# Altium PCB mppt.PcbDoc (part 5 of 5)
Units mm, origin at the board's own origin, x right, y up, seen from the top; angles counter-clockwise.
Board outline 161 x 166 mm, 6 copper layers (Top Layer, Layer 1, Layer 2, Layer 3, Layer 4, Bottom Layer), stack 0.815 mm thick; 460 components, 230 nets, 1421 pads, 2551 vias.
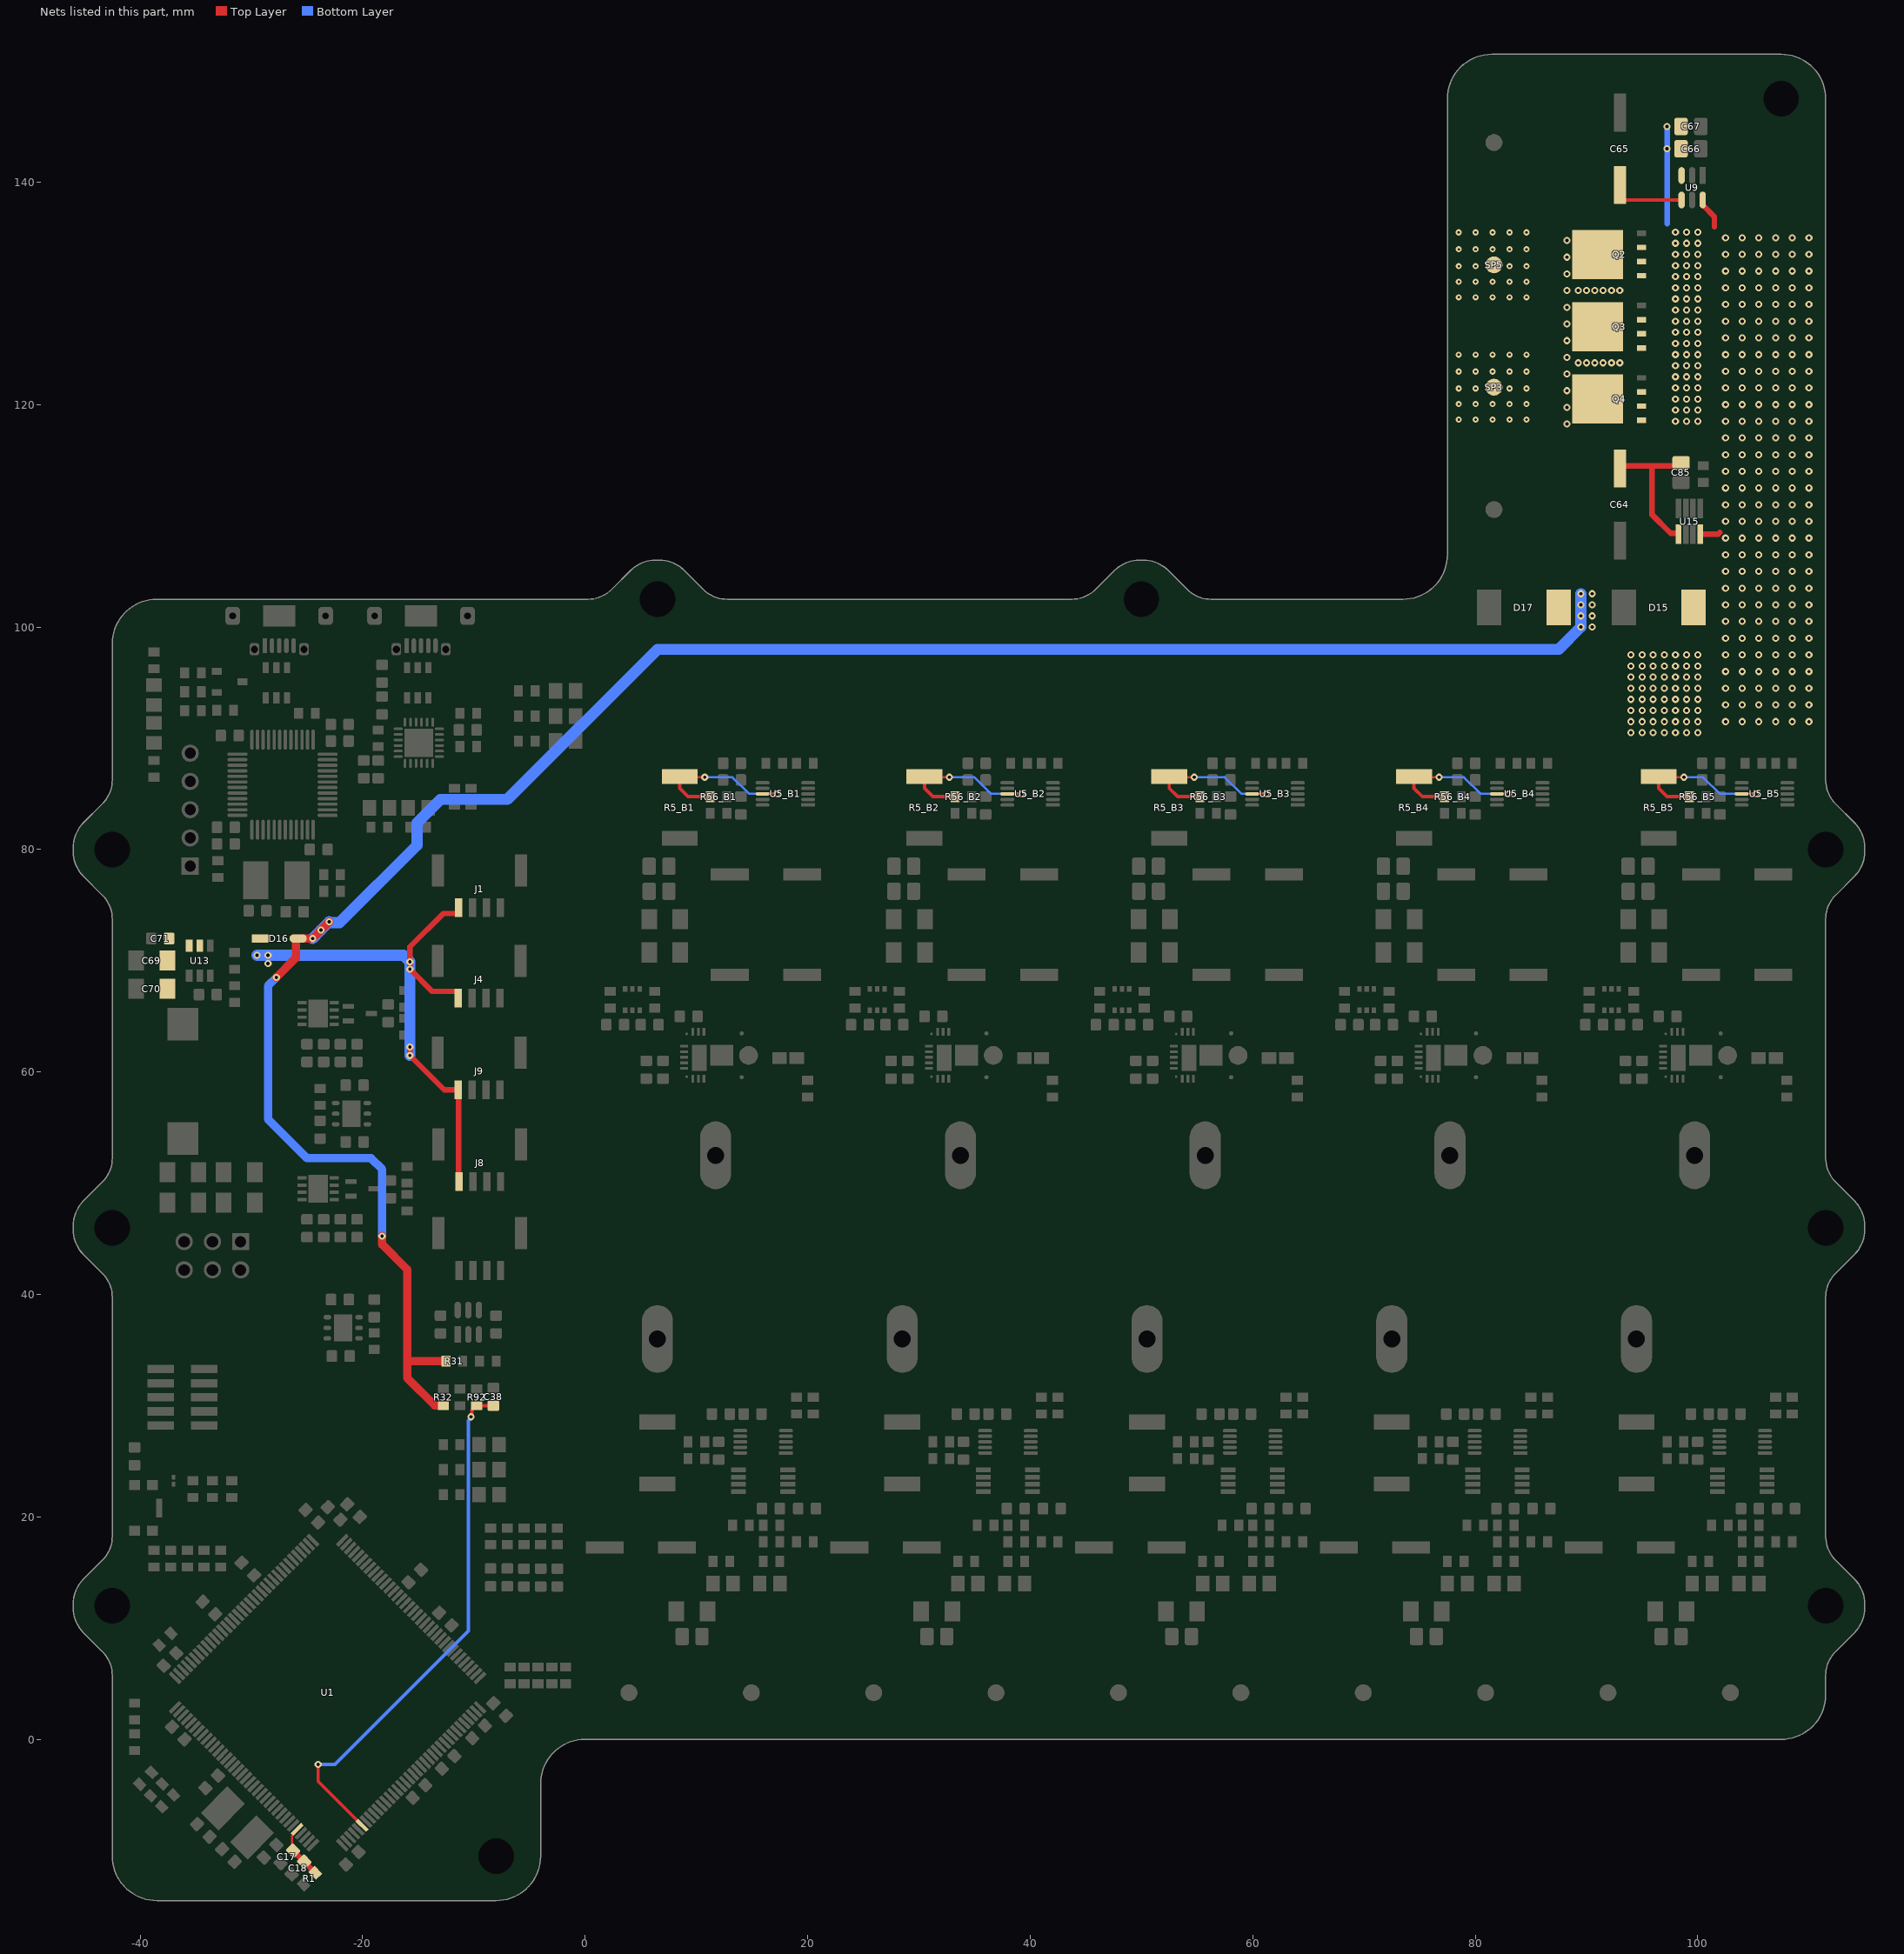
[diagram p9: the nets of this part, all layers, seen from the top]

## Via types
v1: diameter 0.635, hole 0.305, Top Layer to Bottom Layer, tented both sides, 2197 vias
v2: diameter 0.559, hole 0.203, Top Layer to Bottom Layer, tented both sides, 350 vias
v3: diameter 0.5, hole 0.2, Top Layer to Bottom Layer, 4 vias

## Nets (pads, with @x,y where several pads share a name; then routed paths per layer and width w, separated by ;. In a path a pad name is that pad's centre, name@x,y a point inside that pad or via, vN(x,y) a via of type N, cw(c..) or ccw(c..) an arc to the next point about the centre after c; other vN are vias at no path point) (continued)
V_BAT: C64.2 C65.2 C85.2 D16.2 D17.1 Q2.5-6-7-8 Q3.5-6-7-8 Q4.5-6-7-8 R31.2 R32.2 SP3.SP SP5.SP U9.4 U15.5 | length 210.2
  Top Layer w0.3: C65.2@93,139.749 93,138.796 93.396,138.4 U9.4@98.55,138.4
  Top Layer w0.5: C64.2@93,114.251 93.249,114.5 95.874,114.5 ; U15.5@98.275,108.349 98.275,108.432 97.568,108.432 95.874,110.126 95.874,114.5 ; C85.2@98.5,114.5 95.874,114.5
  Top Layer w0.75: v1(-27.75,68.5) -26,70.25 -26,71.996 -25.996,72 v1(-24.5,72) v1(-23.75,72.75) v1(-23,73.5) ; v1(-18.25,45.25) -18.25,44.5 -16,42.25 -16,34 ; R32.2@-12.75,30 -12.775,30.025 -13.525,30.025 -16,32.5 -16,34 ; R31.2@-12.5,34 -16,34
  Bottom Layer w0.75: v1(-27.75,68.5) -28.5,67.75 -28.5,55.75 -25,52.25 -19.25,52.25 -18.25,51.25 v1(-18.25,45.25)
  Bottom Layer w1: v1(-24.5,72) v1(-23.75,72.75) v1(-23,73.5) -22.914,73.414 -22.086,73.414 -15.105,80.395 -15.105,82.395 -13,84.5 -7,84.5 6.5,98 87.5,98 v1(89.5,100) v1(89.5,101) v1(89.5,102) v1(89.5,103)
  other v1: 90.5,100 90.5,101 90.5,102 90.5,103 88.25,118.25 88.25,119.75 88.25,121.25 88.25,122.75 89.25,123.75 90,123.75 90.75,123.75 91.5,123.75 92.25,123.75 93,123.75 88.25,124.25 88.25,125.75 88.25,127.25 88.25,128.75 88.25,130.25 89.25,130.25 90,130.25 90.75,130.25 91.5,130.25 92.25,130.25 93,130.25 88.25,131.75 88.25,133.25 88.25,134.75
  other v2: 78.518,118.651 80.042,118.651 81.566,118.651 83.09,118.651 84.614,118.651 78.518,120.048 80.042,120.048 81.566,120.048 83.09,120.048 84.614,120.048 78.518,121.445 80.042,121.445 81.566,121.445 83.09,121.445 84.614,121.445 78.518,122.969 80.042,122.969 81.566,122.969 83.09,122.969 84.614,122.969 78.516,124.484 80.04,124.484 81.564,124.484 83.088,124.484 84.612,124.484 78.518,129.651 80.042,129.651 81.566,129.651 83.09,129.651 84.614,129.651 78.518,131.048 80.042,131.048 81.566,131.048 83.09,131.048 84.614,131.048 78.518,132.445 80.042,132.445 81.566,132.445 83.09,132.445 84.614,132.445 78.518,133.969 80.042,133.969 81.566,133.969 83.09,133.969 84.614,133.969 78.516,135.484 80.04,135.484 81.564,135.484 83.088,135.484 84.612,135.484
V_BUS: C69.1 C70.1 C71.1 D16.1 J1.1 J4.1 J8.1 J9.1 U13.2 U13.3 | length 50.9
  Top Layer w0.5: v1(-15.75,62.25) v1(-15.75,61.486) -12.664,58.4 J9.1@-11.4,58.4 -11.375,58.375 -11.375,50.175 J8.1@-11.35,50.15 ; J4.1@-11.4,66.65 -11.4,67.171 -11.48,67.251 -13.751,67.251 v1(-15.75,69.25) v1(-15.75,69.914) -15.75,71.25 -12.75,74.25 -11.455,74.25 -11.375,74.33 J1.1@-11.375,74.773
  Bottom Layer w1: v1(-29.5,70.5) v1(-28.5,70.5) -16.336,70.5 v1(-15.75,69.914) v1(-15.75,69.25) v1(-15.75,62.25) v1(-15.75,61.486)
  other v1: -28.5,69.75
V_BUS_DIV: C38.2 R92.2 U1.42 | length 47.7
  Top Layer w0.3: v1(-24,-2.25) -24,-3.789 U1.42@-20.039,-7.75 ; v1(-10.25,29) -10.186,29.064 -10.186,29.564 -10.1,29.65 -10.1,29.75 -9.85,30 C38.2@-8.25,30
  Bottom Layer w0.3: v1(-24,-2.25) -22.5,-2.25 -10.5,9.75 -10.5,28.659 -10.25,28.909 v1(-10.25,29)
V_PV: C66.2 C67.2 D15.1 Q2.1 Q2.2 Q2.3 Q3.1 Q3.2 Q3.3 Q4.1 Q4.2 Q4.3 R5_B1.2 R5_B2.2 R5_B3.2 R5_B4.2 R5_B5.2 R56_B1.2 R56_B2.2 R56_B3.2 R56_B4.2 R56_B5.2 U5_B1.8 U5_B2.8 U5_B3.8 U5_B4.8 U5_B5.8 U9.3 U9.6 U15.8 | length 87.1
  Top Layer w0.203: R5_B1.2@8.5,86.563 8.563,86.5 v1(10.75,86.5) ; U5_B1.8@15.949,85 v1(17.25,85) ; R5_B2.2@30.5,86.563 30.563,86.5 v1(32.75,86.5) ; U5_B2.8@37.949,85 v1(39.25,85) ; R5_B3.2@52.5,86.563 52.563,86.5 v1(54.75,86.5) ; U5_B3.8@59.949,85 v1(61.25,85) ; R5_B4.2@74.5,86.563 74.563,86.5 v1(76.75,86.5) ; U5_B4.8@81.949,85 v1(83,85) ; R5_B5.2@96.5,86.563 96.563,86.5 v1(98.75,86.5) ; U5_B5.8@103.949,85 v1(105.25,85)
  Top Layer w0.3: R5_B1.2@8.5,86.563 8.5,85.5 9.25,84.75 R56_B1.2@11.25,84.75 ; R5_B2.2@30.5,86.563 30.5,85.5 31.25,84.75 R56_B2.2@33.25,84.75 ; R5_B3.2@52.5,86.563 52.5,85.5 53.25,84.75 R56_B3.2@55.25,84.75 ; R5_B4.2@74.5,86.563 74.5,85.5 75.25,84.75 R56_B4.2@77.25,84.75 ; R5_B5.2@96.5,86.563 96.5,85.5 97.25,84.75 R56_B5.2@99.25,84.75 ; C66.2@98.5,143 C66.2@98.525,142.975
  Top Layer w0.5: U15.8@100.225,108.349 101.849,108.349 102,108.5 ; U9.6@100.45,138.4 100.45,137.932 101.5,136.882 101.5,136
  Bottom Layer w0.203: v1(10.75,86.5) 13.25,86.5 14.75,85 v1(17.25,85) ; v1(32.75,86.5) 35,86.5 36.5,85 v1(39.25,85) ; v1(54.75,86.5) 57.5,86.5 59,85 v1(61.25,85) ; v1(76.75,86.5) 79,86.5 80.5,85 v1(83,85) ; v1(98.75,86.5) 100.5,86.5 102,85 v1(105.25,85)
  Bottom Layer w0.5: 97.25,136.25 v1(97.25,143) v1(97.25,145)
  other v1: 94,90.5 95,90.5 96,90.5 97,90.5 98,90.5 99,90.5 100,90.5 94,91.5 95,91.5 96,91.5 97,91.5 98,91.5 99,91.5 100,91.5 102.5,91.5 104,91.5 105.5,91.5 107,91.5 108.5,91.5 110,91.5 94,92.5 95,92.5 96,92.5 97,92.5 98,92.5 99,92.5 100,92.5 102.5,93 104,93 105.5,93 107,93 108.5,93 110,93 94,93.5 95,93.5 96,93.5 97,93.5 98,93.5 99,93.5 100,93.5 94,94.5 95,94.5 96,94.5 97,94.5 98,94.5 99,94.5 100,94.5 102.5,94.5 104,94.5 105.5,94.5 107,94.5 108.5,94.5 110,94.5 94,95.5 95,95.5 96,95.5 97,95.5 98,95.5 99,95.5 100,95.5 102.5,96 104,96 105.5,96 107,96 108.5,96 110,96 94,96.5 95,96.5 96,96.5 97,96.5 98,96.5 99,96.5 100,96.5 94,97.5 95,97.5 96,97.5 97,97.5 98,97.5 99,97.5 100,97.5 102.5,97.5 104,97.5 105.5,97.5 107,97.5 108.5,97.5 110,97.5 102.5,99 104,99 105.5,99 107,99 108.5,99 110,99 102.5,100.5 104,100.5 105.5,100.5 107,100.5 108.5,100.5 110,100.5 102.5,102 104,102 105.5,102 107,102 108.5,102 110,102 102.5,103.5 104,103.5 105.5,103.5 107,103.5 108.5,103.5 110,103.5 102.5,105 104,105 105.5,105 107,105 108.5,105 110,105 102.5,106.5 104,106.5 105.5,106.5 107,106.5 108.5,106.5 110,106.5 102.5,108 104,108 105.5,108 107,108 108.5,108 110,108 102.5,109.5 104,109.5 105.5,109.5 107,109.5 108.5,109.5 110,109.5 102.5,111 104,111 105.5,111 107,111 108.5,111 110,111 102.5,112.5 104,112.5 105.5,112.5 107,112.5 108.5,112.5 110,112.5 102.5,114 104,114 105.5,114 107,114 108.5,114 110,114 102.5,115.5 104,115.5 105.5,115.5 107,115.5 108.5,115.5 110,115.5 102.5,117 104,117 105.5,117 107,117 108.5,117 110,117 98,118.5 99,118.5 100,118.5 102.5,118.5 104,118.5 105.5,118.5 107,118.5 108.5,118.5 110,118.5 98,119.5 99,119.5 100,119.5 102.5,120 104,120 105.5,120 107,120 108.5,120 110,120 98,120.5 99,120.5 100,120.5 98,121.5 99,121.5 100,121.5 102.5,121.5 104,121.5 105.5,121.5 107,121.5 108.5,121.5 110,121.5 98,122.5 99,122.5 100,122.5 102.5,123 104,123 105.5,123 107,123 108.5,123 110,123 98,123.5 99,123.5 100,123.5 98,124.5 99,124.5 100,124.5 102.5,124.5 104,124.5 105.5,124.5 107,124.5 108.5,124.5 110,124.5 98,125.5 99,125.5 100,125.5 102.5,126 104,126 105.5,126 107,126 108.5,126 110,126 98,126.5 99,126.5 100,126.5 98,127.5 99,127.5 100,127.5 102.5,127.5 104,127.5 105.5,127.5 107,127.5 108.5,127.5 110,127.5 98,128.5 99,128.5 100,128.5 102.5,129 104,129 105.5,129 107,129 108.5,129 110,129 98,129.5 99,129.5 100,129.5 98,130.5 99,130.5 100,130.5 102.5,130.5 104,130.5 105.5,130.5 107,130.5 108.5,130.5 110,130.5 98,131.5 99,131.5 100,131.5 102.5,132 104,132 105.5,132 107,132 108.5,132 110,132 98,132.5 99,132.5 100,132.5 98,133.5 99,133.5 100,133.5 102.5,133.5 104,133.5 105.5,133.5 107,133.5 108.5,133.5 110,133.5 98,134.5 99,134.5 100,134.5 102.5,135 104,135 105.5,135 107,135 108.5,135 110,135 98,135.5 99,135.5 100,135.5
VREF_P: C17.2 C18.2 R1.2 U1.32 | length 5
  Top Layer w0.203: C17.2@-26.25,-10 -26.25,-9.511 -26.341,-9.419 -26.341,-8.645 -25.89,-8.194 U1.32@-25.89,-8.086
  Top Layer w0.5: C17.2@-26.25,-10 C18.2@-25.25,-11 R1.2@-24.25,-12
pads on no net: CR1.5 CR2.5 D5_B1.2 D5_B1.5 D5_B2.2 D5_B2.5 D5_B3.2 D5_B3.5 D5_B4.2 D5_B4.5 D5_B5.2 D5_B5.5 H1.6 H2.6 H3.6 H4.6 H5.6 H7.6 H8.6 H9.6 H10.6 H11.6 J1.5 J1.6 J4.5 J4.6 J5.5 J5.6 J8.5 J8.6 J9.5 J9.6 P2.7 S1.3 S1.4 S1.5 U1.1 U1.2 U1.3 U1.4 U1.5 U1.7 U1.8 U1.9 U1.14 U1.18 U1.20 U1.22 U1.26 U1.27 U1.28 U1.29 U1.34 U1.35 U1.36 U1.37 U1.54 U1.55 U1.56 U1.57 U1.58 U1.59 U1.60 U1.63 U1.64 U1.65 U1.66 U1.67 U1.68 U1.69 U1.70 U1.75 U1.76 U1.77 U1.81 U1.82 U1.85 U1.86 U1.87 U1.88 U1.89 U1.90 U1.93 U1.99 U1.117 U1.122 U1.123 U1.124 U1.126 U1.127 U1.128 U1.129 U1.132 U1.139 U1.140 U1.141 U1.142 U2.2 U2.3 U2.4 U2.11 U2.12 U2.13 U2.14 U2.16 U2.17 U2.19 U2.20 U2.21 U2.22 U2.28 U2.29 U2.39 U2.40 U2.41 U2.42 U2.43 U2.45 U2.46 U7_B1.1 U7_B1.2 U7_B1.3 U7_B1.4 U7_B1.8 U7_B1.9 U7_B1.16 U7_B2.1 U7_B2.2 U7_B2.3 U7_B2.4 U7_B2.8 U7_B2.9 U7_B2.16 U7_B3.1 U7_B3.2 U7_B3.3 U7_B3.4 U7_B3.8 U7_B3.9 U7_B3.16 U7_B4.1 U7_B4.2 U7_B4.3 U7_B4.4 U7_B4.8 U7_B4.9 U7_B4.16 U7_B5.1 U7_B5.2 U7_B5.3 U7_B5.4 U7_B5.8 U7_B5.9 U7_B5.16 U8.3 U12.3 U14.1 U14.10 U14.11 U14.12 U14.15 U14.16 U14.17 U14.18 U14.19 U14.22 U14.23 U14.24 U15.3

## Polygon pours and split planes (outlines as drawn)
GND on Top Layer "NONET_L04_P-001" (solid, remove dead copper, pour order 148): -42,-10.5 ccw(c-38.5,-10.5) -38.5,-14 -8,-14 ccw(c-8,-10.5) -4.5,-10.5 -4.5,-4 cw(c0,-4) 0,0.5 107.5,0.5 ccw(c107.5,4) 111,4 111,148.46 ccw(c108.46,148.46) 108.46,151 81.5,151 ccw(c81.5,147.5) 78,147.5 78,106.5 cw(c73.5,106.5) 73.5,102 -38.5,102 ccw(c-38.5,98.5) -42,98.5
NetL1_B1_1 on Top Layer "NONET_L04_P-001" (solid, pour order 93): 11.5,60 11.5,57 9.5,55 9.5,49 14,49 16,51 16,60
NetL1_B2_1 on Top Layer "NONET_L04_P-001" (solid, pour order 95): 33.5,60 33.5,57 31.5,55 31.5,49 36,49 38,51 38,60
NetL1_B3_1 on Top Layer "NONET_L04_P-001" (solid, pour order 94): 55.5,60 55.5,57 53.5,55 53.5,49 58,49 60,51 60,60
NetL1_B4_1 on Top Layer "NONET_L04_P-001" (solid, pour order 92): 77.5,60 77.5,57 75.5,55 75.5,49 80,49 82,51 82,60
NetL1_B5_1 on Top Layer "NONET_L04_P-001" (solid, pour order 91): 99.5,60 99.5,57 97.5,55 97.5,49 102,49 104,51 104,60
V_PV on Top Layer "Top Layer-V_PV" (solid, pour order 146): 6.75,87 10.25,87 10.25,87.46 cw(c12.79,87.46) 12.79,90 26.21,90 cw(c26.21,87.46) 28.75,87.46 28.75,87 32.25,87 32.25,87.46 cw(c34.79,87.46) 34.79,90 48.21,90 cw(c48.21,87.46) 50.75,87.46 50.75,87 54.25,87 54.25,87.46 cw(c56.79,87.46) 56.79,90 70.21,90 cw(c70.21,87.46) 72.75,87.46 72.75,87 76.25,87 76.25,87.46 cw(c78.79,87.46) 78.79,90 92.21,90 cw(c92.21,87.46) 94.75,87.46 94.75,87 98.25,87 98.25,87.46 cw(c100.79,87.46) 100.79,90 108.46,90 ccw(c108.46,92.54) 111,92.54 111,136.5 94,136.5 94,118 98.96,118 cw(c98.96,115.46) 101.5,115.46 101.5,103.5 98.5,103.5 98.5,100 101.277,100 cw(c98.96,101.04) 98.96,98.5 9.29,98.5 ccw(c9.29,95.96) 6.75,95.96
3V3_INA on Top Layer "NONET_L04_P-001" (solid, pour order 120): 13.5,88.25 13.5,85.75 16.5,85.75 16.75,86 16.75,87 15.5,88.25
3V3 on Top Layer "NONET_L04_P-001" (solid, pour order 106): -25,19.25 -23,17.25 -22.25,17.25 -20.5,19 -21.5,20 -24.25,20
3V3 on Top Layer "NONET_L04_P-001" (solid, pour order 145): -23,48.75 -23,48 -22.5,47.5 -22.5,46.25 -19.75,46.25 -19.75,48 -21.25,48 -22,48.75
3V3 on Top Layer "NONET_L04_P-001" (solid, pour order 139): -23,64.5 -23,63.75 -22.5,63.25 -22.5,62 -19.75,62 -19.75,63.75 -21.25,63.75 -22,64.5
3V3_INA on Top Layer "NONET_L04_P-001" (solid, pour order 77): 78.25,27.75 80.75,27.75 80.75,30 78.25,30
3V3_INA on Top Layer "NONET_L04_P-001" (solid, pour order 122): 35.5,88.25 35.5,85.75 38.5,85.75 38.75,86 38.75,87 37.5,88.25
V_BUS on Top Layer "NONET_L04_P-001" (solid, pour order 137): -28,72 -29,73 -38.25,73 -38.25,66.5 -36.75,66.5 -36.75,69.5 -35.75,70.5 -34.25,70.5 -34.25,72 -30.992,72 -29.188,69.25 -28,69.25
V_BAT on Top Layer "NONET_L04_P-001" (solid, pour order 133): 87,103.5 87.023,103.523 90.977,103.523 91,103.5 91,99.5 86.108,99.5 86.108,103.511
5V on Top Layer "NONET_L04_P-001" (solid, pour order 128): -20.5,60 -20.5,57.25 -20,56.75 -17.25,56.75 -17.25,60
3V3_INA on Top Layer "NONET_L04_P-001" (solid, pour order 80): 34.25,27.75 36.75,27.75 36.75,30 34.25,30
3V3_INA on Top Layer "NONET_L04_P-001" (solid, pour order 70): 39,20.25 41.5,20.25 41.5,21.75 41.5,22.275 39,22.275
3V3_INA on Top Layer "NONET_L04_P-001" (solid, pour order 67): 83,20.25 85.5,20.25 85.5,21.75 85.5,22.275 83,22.275
5V_USB on Top Layer "NONET_L04_P-001" (solid, pour order 127): -20.543,89.764 -20.543,87.514 -17.793,87.514 -17.793,89.764
3V3 on Top Layer "NONET_L04_P-001" (solid, pour order 126): -32.25,83.25 -32.25,79.5 -29.25,79.5 -29.25,83.25
3V3_INA on Top Layer "NONET_L04_P-001" (solid, pour order 66): 104.75,20.25 107.75,20.25 107.75,22.275 104.75,22.275
3V3_INA on Top Layer "NONET_L04_P-001" (solid, pour order 125): 101.5,88.25 101.5,85.75 104.5,85.75 104.75,86 104.75,87 103.5,88.25
3V3_INA on Top Layer "NONET_L04_P-001" (solid, pour order 124): 79.5,88.25 79.5,85.75 82.5,85.75 82.75,86 82.75,88.25
3V3_INA on Top Layer "NONET_L04_P-001" (solid, pour order 123): 57.5,88.25 57.5,85.75 60.5,85.75 60.75,86 60.75,88.25
3V3_INA on Top Layer "NONET_L04_P-001" (solid, pour order 116): -20.5,56.75 -16.75,56.75 -16.75,53 -20.5,53
5V_USB on Top Layer "NONET_L04_P-001" (solid, pour order 115): -19.5,99.75 -16.5,99.75 -15.75,99 -15.75,98.5 -19.5,98.5
5V_STLINK on Top Layer "NONET_L04_P-001" (solid, pour order 114): -32.25,99.75 -29,99.75 -28.5,99.25 -28.5,98.5 -32.25,98.5
V_PV on Top Layer "NONET_L04_P-001" (solid, pour order 112): 96.75,145.75 99,145.75 99,140 98.75,139.75 96.75,139.75
5V_REG on Top Layer "NONET_L04_P-001" (solid, pour order 111): -37.75,55.5 -37.75,52.5 -37.25,52.5 -35.5,50.75 -35.5,47 -37,45.5 -37,43.75 -35,43.75 -35,44.25 -31.75,47.5 -31.75,52 -32.5,52.75 -33.75,52.75 -34.75,53.75 -34.75,55.5
5V on Top Layer "NONET_L04_P-001" (solid, pour order 110): -25.75,36 -24,36 -23.5,36.5 -22.75,36.5 -22.75,35.5 -22.25,35 -22.25,33.5 -25.75,33.5
NetC68_2 on Top Layer "NONET_L04_P-001" (solid, pour order 109): -35,69.25 -35,68.5 -37.75,65.75 -37.75,62.75 -34.5,62.75 -34.5,65.5 -34.25,65.75 -34.25,69.25
3V3 on Top Layer "NONET_L04_P-001" (solid, pour order 105): -39.5,7.25 -39.5,3.25 -38,3.25 -36,5.25 -38,7.25
3V3 on Top Layer "NONET_L04_P-001" (solid, pour order 104): -25.75,40.75 -25.75,36.25 -24.25,36.25 -23.75,36.75 -22.75,36.75 -22.75,40.75
PV_OUT_B2 on Top Layer "NONET_L04_P-001" (solid, pour order 100): 33.5,63 37.75,63 37.75,78.75 35,81.5 28.75,81.5 28.75,80.5 28.75,75.25 29.25,74.75 29.25,69.75 33.5,65.5
NetL1_B2_2 on Top Layer "NONET_L04_P-001" (solid, pour order 85): 26.75,28 30.25,28 30.25,29 31.25,30 31.25,40 25.75,40 25.75,30 26.75,29
PV_IN_B2 on Top Layer "NONET_L04_P-001" (solid, pour order 75): 22,0 30.001,0 30.001,8.001 31,9 31,12.5 26.75,16.75 26.75,18 30.5,21.75 30.5,23.75 26.75,23.75 22,19
NetR83_B2_1 on Top Layer "NONET_L04_P-001" (solid, pour order 65): 39,19.75 41.25,19.75 41.25,17.25 39,17.25
PV_OUT_B3 on Top Layer "NONET_L04_P-001" (solid, pour order 99): 55.5,63 59.75,63 59.75,78.75 57,81.5 50.75,81.5 50.75,80.5 50.75,75.25 51.25,74.75 51.25,69.75 55.5,65.5
NetL1_B3_2 on Top Layer "NONET_L04_P-001" (solid, pour order 84): 48.75,28 52.25,28 52.25,29 53.25,30 53.25,40 47.75,40 47.75,30 48.75,29
3V3_INA on Top Layer "NONET_L04_P-001" (solid, pour order 79): 56.25,27.75 58.75,27.75 58.75,30 56.25,30
PV_IN_B3 on Top Layer "NONET_L04_P-001" (solid, pour order 74): 44,0 52.001,0 52.001,8.001 53,9 53,12.5 48.75,16.75 48.75,18 52.5,21.75 52.5,23.75 48.75,23.75 44,19
3V3_INA on Top Layer "NONET_L04_P-001" (solid, pour order 69): 61,20.25 63.5,20.25 63.5,21.75 63.5,22.275 61,22.275
NetR83_B3_1 on Top Layer "NONET_L04_P-001" (solid, pour order 64): 61,19.75 63.25,19.75 63.25,17.25 61,17.25
PV_OUT_B1 on Top Layer "NONET_L04_P-001" (solid, pour order 98): 11.5,63 15.75,63 15.75,78.75 13,81.5 6.75,81.5 6.75,80.5 6.75,75.25 7.25,74.75 7.25,69.75 11.5,65.5
NetL1_B1_2 on Top Layer "NONET_L04_P-001" (solid, pour order 83): 4.75,28 8.25,28 8.25,29 9.25,30 9.25,40 3.75,40 3.75,30 4.75,29
3V3_INA on Top Layer "NONET_L04_P-001" (solid, pour order 78): 12.25,27.75 14.75,27.75 14.75,30 12.25,30
PV_IN_B1 on Top Layer "NONET_L04_P-001" (solid, pour order 73): 0,0 8.001,0 8.001,8.001 9,9 9,12.5 4.75,16.75 4.75,18 8.5,21.75 8.5,23.75 4.75,23.75 0,19
3V3_INA on Top Layer "NONET_L04_P-001" (solid, pour order 68): 17,20.25 19.5,20.25 19.5,21.75 19.5,22.275 17,22.275
NetR83_B1_1 on Top Layer "NONET_L04_P-001" (solid, pour order 63): 17,19.75 19.25,19.75 19.25,17.25 17,17.25
PV_OUT_B4 on Top Layer "NONET_L04_P-001" (solid, pour order 97): 77.5,63 81.75,63 81.75,78.75 79,81.5 72.75,81.5 72.75,80.5 72.75,75.25 73.25,74.75 73.25,69.75 77.5,65.5
NetL1_B4_2 on Top Layer "NONET_L04_P-001" (solid, pour order 82): 70.75,28 74.25,28 74.25,29 75.25,30 75.25,40 69.75,40 69.75,30 70.75,29
PV_IN_B4 on Top Layer "NONET_L04_P-001" (solid, pour order 72): 66,0 74.001,0 74.001,8.001 75,9 75,12.5 70.75,16.75 70.75,18 74.5,21.75 74.5,23.75 70.75,23.75 66,19
NetR83_B4_1 on Top Layer "NONET_L04_P-001" (solid, pour order 62): 83,19.75 85.25,19.75 85.25,17.25 83,17.25
NetR83_B5_1 on Top Layer "NONET_L04_P-001" (solid, pour order 61): 105,19.75 107.25,19.75 107.25,17.25 105,17.25
PV_IN_B5 on Top Layer "NONET_L04_P-001" (solid, pour order 71): 88,0 96.001,0 96.001,8.001 97,9 97,12.5 92.75,16.75 92.75,18 96.5,21.75 96.5,23.75 92.75,23.75 88,19
3V3_INA on Top Layer "NONET_L04_P-001" (solid, pour order 76): 100.25,27.75 102.75,27.75 102.75,30 100.25,30
NetL1_B5_2 on Top Layer "NONET_L04_P-001" (solid, pour order 81): 92.75,28 96.25,28 96.25,29 97.25,30 97.25,40 91.75,40 91.75,30 92.75,29
PV_OUT_B5 on Top Layer "NONET_L04_P-001" (solid, pour order 96): 99.5,63 103.75,63 103.75,78.75 101,81.5 94.75,81.5 94.75,80.5 94.75,75.25 95.25,74.75 95.25,69.75 99.5,65.5
3V3 on Top Layer "NONET_L04_P-001" (solid, pour order 58): -31.25,90 -30.25,89 -30,89 -29.75,89.25 -29.75,92 -30.25,92 -31.25,91
3V3 on Top Layer "NONET_L04_P-001" (solid, pour order 57): -24,88.575 -22.25,88.575 -22.25,93 -23.25,93 -23.25,91.25 -24,90.5
V_BAT on Top Layer "NONET_L04_P-001" (solid, pour order 55): 92.5,112.5 93.5,112.5 93.5,141.5 92.5,141.5 92.5,139.04 cw(c89.96,139.04) 89.96,136.5 77.5,136.5 77.5,128.499 84.001,128.499 cw(c84.001,127) 85.5,127 cw(c84,127) 84,125.5 77.5,125.5 77.5,117.499 89.96,117.499 cw(c89.96,114.959) 92.5,114.959
GND on Bottom Layer "NONET_L04_P-001" (solid, remove dead copper, pour order 154): -42,-10.5 ccw(c-38.5,-10.5) -38.5,-14 -8,-14 ccw(c-8,-10.5) -4.5,-10.5 -4.5,-4 cw(c0,-4) 0,0.5 107.5,0.5 ccw(c107.5,4) 111,4 111,148.46 ccw(c108.46,148.46) 108.46,151 81.5,151 ccw(c81.5,147.5) 78,147.5 78,106.5 cw(c73.5,106.5) 73.5,102 -38.5,102 ccw(c-38.5,98.5) -42,98.5
V_BAT on Bottom Layer "NONET_L04_P-001" (solid, pour order 56): 78,136.5 93.5,136.5 93.5,117.5 78.25,117.5 78.25,125.5 84,125.5 ccw(c84,127) 85.5,127 ccw(c84,127) 84,128.5 78,128.5
V_PV on Bottom Layer "NONET_L04_P-001" (solid, pour order 102): 93.25,90 108.46,90 ccw(c108.46,92.54) 111,92.54 111,136.5 94.057,136.5 94.057,118.057 cw(c94,118.057) 94,118 98.96,118 cw(c98.96,115.46) 101.5,115.46 101.5,101.04 cw(c98.96,101.04) 98.96,98.5 93.25,98.5
5V on Bottom Layer "Bottom Layer-5V" (solid, pour order 153): -16.5,41 -8,49.5 -8,71.5 -0.5,79 -0.5,83 -10,83 -10,60 -25.25,60 -25.25,65.25 -26.75,65.25 -26.75,57.25 -10,57.25 -10,51.5 -18,43.5 -25,43.5 -25,49.5 -26.75,49.5 -27,49.25 -27,43.5 -37.5,43.5 -37.5,41 -20,41 -20,36 -25.75,36 -25.75,33.5 -18.25,33.5 -18.25,41
V_BUS on Bottom Layer "NONET_L04_P-001" (solid, pour order 140): -30,71.25 -28,71.25 -28,69.25 -30,69.25
GND on Layer 3 "NONET_L04_P-001" (solid, remove dead copper, pour order 150): -42,-10.5 ccw(c-38.5,-10.5) -38.5,-14 -8,-14 ccw(c-8,-10.5) -4.5,-10.5 -4.5,-4 cw(c0,-4) 0,0.5 107.5,0.5 ccw(c107.5,4) 111,4 111,148.46 ccw(c108.46,148.46) 108.46,151 81.5,151 ccw(c81.5,147.5) 78,147.5 78,106.5 cw(c73.5,106.5) 73.5,102 -38.5,102 ccw(c-38.5,98.5) -42,98.5
3V3 on Layer 3 "NONET_L04_P-001" (solid, remove dead copper, pour order 118): -42,-10.5 ccw(c-38.5,-10.5) -38.5,-14 -8,-14 ccw(c-8,-10.5) -4.5,-10.5 -4.5,102 -38.5,102 ccw(c-38.5,98.5) -42,98.5 -42,95.5
3V3_INA on Layer 3 "NONET_L04_P-001" (solid, pour order 103): -19,56.75 -6,56.75 -6,93 111,93 111,83.25 90.75,83.25 -2,83.25 -2,30 111,30 111,13.75 -5,13.75 -5,53 -19,53
V_BAT on Layer 3 "NONET_L04_P-001" (solid, pour order 136): 78,125.5 88,125.5 91,122.5 91,99 88,99 88,114 84.5,117.5 78,117.5
5V on Layer 3 "NONET_L04_P-001" (solid, pour order 121): -2.5,83 -2.5,79 88.75,79 88.75,83
GND on Layer 2 "NONET_L04_P-001" (solid, remove dead copper, pour order 149): -42,-10.5 ccw(c-38.5,-10.5) -38.5,-14 -8,-14 ccw(c-8,-10.5) -4.5,-10.5 -4.5,-4 cw(c0,-4) 0,0.5 107.5,0.5 ccw(c107.5,4) 111,4 111,148.46 ccw(c108.46,148.46) 108.46,151 81.5,151 ccw(c81.5,147.5) 78,147.5 78,106.5 cw(c73.5,106.5) 73.5,102 -38.5,102 ccw(c-38.5,98.5) -42,98.5
GND on Layer 1 "NONET_L04_P-001" (solid, remove dead copper, pour order 151): -42,-10.5 ccw(c-38.5,-10.5) -38.5,-14 -8,-14 ccw(c-8,-10.5) -4.5,-10.5 -4.5,-4 cw(c0,-4) 0,0.5 107.5,0.5 ccw(c107.5,4) 111,4 111,148.46 ccw(c108.46,148.46) 108.46,151 81.5,151 ccw(c81.5,147.5) 78,147.5 78,106.5 cw(c73.5,106.5) 73.5,102 -38.5,102 ccw(c-38.5,98.5) -42,98.5
GND on Layer 4 "NONET_L04_P-001" (solid, remove dead copper, pour order 113): -42,-10.5 ccw(c-38.5,-10.5) -38.5,-14 -8,-14 ccw(c-8,-10.5) -4.5,-10.5 -4.5,-4 cw(c0,-4) 0,0.5 107.5,0.5 ccw(c107.5,4) 111,4 111,148.46 ccw(c108.46,148.46) 108.46,151 81.5,151 ccw(c81.5,147.5) 78,147.5 78,106.5 cw(c73.5,106.5) 73.5,102 -38.5,102 ccw(c-38.5,98.5) -42,98.5

## Keep-outs
Keep-Out Layer:
  circle w0.3: c-42.5,46 r3.5
  circle w0.3: c6.5,102.5 r3.5
  circle w0.3: c50,102.5 r3.5
  circle w0.3: c111.5,46 r3
  circle w0.3: c111.5,80 r3
  circle w0.3: c111.5,12 r3
  circle w0.3: c-42.5,80 r3.5
  circle w0.3: c-42.5,12 r3.5
  circle w0.3: c107.5,147.5 r3.5
  circle w0.3: c-8,-10.5 r3.5
  region: -39.5,55.75 -32.75,55.75 -31.75,57.25 -31.75,61 -32.75,62.5 -39.5,62.5 -40.5,61 -40.5,57.25

## Silkscreen, mask and mechanical layers (free items; w line width, h text height)
Top Overlay:
  region: 15.484,94.484 15.492,94.469 15.551,94.457 15.574,94.426 15.59,94.418 15.613,94.387 15.629,94.379 15.645,94.355 15.66,94.348 15.672,94.336 15.68,94.281 15.707,94.262 15.711,94.234 15.703,94.211 15.707,94.074 15.699,94.059 15.684,94.051 15.672,94.039 15.664,93.984 15.637,93.965 15.535,93.863 15.488,93.855 15.477,93.844 15.473,93.832 15.441,93.824 15.395,93.832 15.371,93.824 14.938,93.828 14.902,93.824 14.883,93.836 14.883,93.945 14.883,93.953 14.891,94.5 15.465,94.504
  region: 6 vertices and 22 holes, not listed, extent 12.781,91.504 44.281,101.402
  region: 20.652,94.23 20.664,94.219 20.672,94.203 20.695,94.188 20.703,94.133 20.73,94.113 20.738,94.059 20.766,94.047 20.77,94.02 20.766,94 20.793,93.973 20.805,93.969 20.809,93.934 20.805,93.883 20.824,93.863 20.84,93.855 20.852,93.797 20.879,93.777 20.887,93.723 20.902,93.715 20.922,93.695 20.93,93.648 20.941,93.637 20.953,93.633 20.961,93.602 20.953,93.57 20.961,93.539 20.988,93.52 20.992,93.5 20.98,93.488 20.324,93.496 20.32,93.516 20.328,93.523 20.332,93.527 20.359,93.547 20.367,93.602 20.391,93.617 20.398,93.648 20.391,93.672 20.398,93.703 20.418,93.723 20.43,93.727 20.438,93.781 20.449,93.793 20.465,93.801 20.473,93.895 20.508,93.922 20.512,93.973 20.539,93.984 20.555,94.047 20.566,94.059 20.578,94.062 20.586,94.094 20.578,94.125 20.586,94.156 20.598,94.168 20.613,94.176 20.621,94.238
  region: -15.125,24 -28.875,24 -28.875,31.5 -15.125,31.5
  lines w0.3: -0.5,0.5 -0.5,88 ; 21.5,0.5 21.5,20.104 ; 21.5,21.396 21.5,67.851 ; 21.5,69.649 21.5,76.851 ; 21.5,78.649 21.5,88.25 ; 43.5,0.5 43.5,20.104 ; 43.5,21.396 43.5,88.25 ; 87.5,0.5 87.5,20.104 ; 87.5,21.396 87.5,88.25 ; 65.5,0.5 65.5,20.104 65.5,0.5 ; 65.5,21.396 65.5,88.25 65.5,21.396
  text "Angus Macdonald" at 79.5,148.755 h1.5
  text "GND" at 86.403,145.462 h2 r270
  text "V OUT" at 86.402,135.309 h2 r270
  text "V OUT" at 86.402,124.309 h2 r270
  text "GND" at 86.403,112.462 h2 r270
  text "STLK" at -38.259,99.652 h2
  text "USB" at -8.272,99.403 h2
  text "3V3" at 1.05,93.652 h2
  text "MISO GaN MPPT" at 46.9,92.462 h5
  text "3V3-I" at 1.05,91.402 h2
  text "5V" at 1.05,89.164 h2
  text "5" at 90.57,82.829 h4
  text "3" at 46.555,82.804 h4
  text "4" at 68.462,82.807 h4
  text "1" at 2.702,82.8 h4
  text "2" at 24.56,82.78 h4
  text "CAN1" at -4.097,79.394 h2 r270
  text "CAN1" at -4.097,70.894 h2 r270
  text "CAN2" at -4.097,62.932 h2 r270
  text "CAN2" at -4.097,54.932 h2 r270
  text "I2C" at -4.097,46.043 h2 r270
  text "5V SEL" at -36.581,38.903 h2
  text "JTAG" at -31.597,33.244 h2 r270
  text "ON" at -5.95,25.902 h2
  text "5" at 89.57,24.829 h4
  text "1" at 1.702,24.8 h4
  text "3" at 45.555,24.804 h4
  text "4" at 67.462,24.807 h4
  text "2" at 23.56,24.78 h4
  text "ERR" at -5.95,23.652 h2
  text "BAT" at -5.95,21.402 h2
  text "PV+" at 2.22,8.903 h2
  text "PV-" at 13.745,8.902 h2
  text "PV+" at 24.22,8.903 h2
  text "PV-" at 35.745,8.902 h2
  text "PV+" at 46.22,8.903 h2
  text "PV-" at 57.745,8.902 h2
  text "PV+" at 68.22,8.903 h2
  text "PV-" at 79.745,8.902 h2
  text "PV+" at 90.22,8.903 h2
  text "PV-" at 101.745,8.902 h2
Bottom Solder:
  region: 99,63.25 ccw(c99,61.5) 97.25,61.5 ccw(c99,61.5) 99,59.75 102.5,59.75 ccw(c102.5,61.5) 104.25,61.5 ccw(c102.5,61.5) 102.5,63.25
  region: 77,63.25 ccw(c77,61.5) 75.25,61.5 ccw(c77,61.5) 77,59.75 80.5,59.75 ccw(c80.5,61.5) 82.25,61.5 ccw(c80.5,61.5) 80.5,63.25
  region: 55,63.25 ccw(c55,61.5) 53.25,61.5 ccw(c55,61.5) 55,59.75 58.5,59.75 ccw(c58.5,61.5) 60.25,61.5 ccw(c58.5,61.5) 58.5,63.25
  region: 33,63.25 ccw(c33,61.5) 31.25,61.5 ccw(c33,61.5) 33,59.75 36.5,59.75 ccw(c36.5,61.5) 38.25,61.5 ccw(c36.5,61.5) 36.5,63.25
  region: 11,63.25 ccw(c11,61.5) 9.25,61.5 ccw(c11,61.5) 11,59.75 14.5,59.75 ccw(c14.5,61.5) 16.25,61.5 ccw(c14.5,61.5) 14.5,63.25
Outline:
  lines w0.254: 111.5,39.73 cw(c114.566,39.73) 112.398,41.898 114.102,43.602 ccw(c111.934,45.77) 115,45.77 115,46 115,46.23 ccw(c111.934,46.23) 114.102,48.398 112.398,50.102 cw(c114.566,52.27) 111.5,52.27 ; 111.5,39.75 111.5,18.27 ccw(c114.566,18.27) 112.398,16.102 114.102,14.398 cw(c111.934,12.23) 115,12.23 115,12 115,11.77 cw(c111.934,11.77) 114.102,9.602 112.398,7.898 ccw(c114.566,5.73) 111.5,5.73 111.5,4 cw(c107.5,4) 107.5,0 0,0 ccw(c0,-4) -4,-4 -4,-10.5 cw(c-8,-10.5) -8,-14.5 -38.5,-14.5 cw(c-38.5,-10.5) -42.5,-10.5 -42.5,4.5 -42.5,5.73 ccw(c-45.566,5.73) -43.398,7.898 -45.102,9.602 cw(c-42.934,11.77) -46,11.77 -46,12 -46,12.23 cw(c-42.934,12.23) -45.102,14.398 -43.398,16.102 ccw(c-45.566,18.27) -42.5,18.27 -42.5,19.5 -42.5,38.5 -42.5,39.73 ccw(c-45.566,39.73) -43.398,41.898 -45.102,43.602 cw(c-42.934,45.77) -46,45.77 -46,46 -46,46.23 cw(c-42.934,46.23) -45.102,48.398 -43.398,50.102 ccw(c-45.566,52.27) -42.5,52.27 -42.5,53.5 -42.5,72.5 -42.5,73.73 ccw(c-45.566,73.73) -43.398,75.898 -45.102,77.602 cw(c-42.934,79.77) -46,79.77 -46,80 -46,80.23 cw(c-42.934,80.23) -45.102,82.398 -43.398,84.102 ccw(c-45.566,86.27) -42.5,86.27 -42.5,87.5 ; 111.5,52.25 111.5,73.73 cw(c114.566,73.73) 112.398,75.898 114.102,77.602 ccw(c111.934,79.77) 115,79.77 115,80 115,80.23 ccw(c111.934,80.23) 114.102,82.398 112.398,84.102 cw(c114.566,86.27) 111.5,86.27 111.5,87.5 111.5,147.5 ccw(c107.5,147.5) 107.5,151.5 81.5,151.5 ccw(c81.5,147.5) 77.5,147.5 77.5,106.5 cw(c73.5,106.5) 73.5,102.5 57.5,102.5 ; -42.5,87.5 ccw(c-42.5,87.5) -42.5,87.5 ; -42.5,87.5 -42.5,98.5 ; -42.5,98.5 ccw(c-42.5,98.5) -42.5,98.5 ; -42.5,98.5 cw(c-38.5,98.5) -38.5,102.5 ; -38.5,102.5 ccw(c-38.5,102.5) -38.5,102.5 ; -38.5,102.5 -1,102.5 ; -1,102.5 ccw(c-1,102.5) -1,102.5 ; -1,102.5 -1,102.5 ; -1,102.5 0.23,102.5 ccw(c0.23,105.566) 2.398,103.398 4.102,105.102 cw(c6.27,102.934) 6.27,106 6.5,106 6.73,106 cw(c6.73,102.934) 8.898,105.102 10.602,103.398 ccw(c12.77,105.566) 12.77,102.5 14,102.5 42.5,102.5 43.73,102.5 ccw(c43.73,105.566) 45.898,103.398 47.602,105.102 cw(c49.77,102.934) 49.77,106 50,106 50.23,106 cw(c50.23,102.934) 52.398,105.102 54.102,103.398 ccw(c56.27,105.566) 56.27,102.5 57.5,102.5 ; 57.5,102.5 ccw(c57.5,102.5) 57.5,102.5

## Text inside footprints (layer, text, board x,y; h text height)
CR1: Mechanical 13 "*" at -27.928,94.187 h1.27 r90
CR2: Mechanical 13 "*" at -15.228,94.187 h1.27 r90
J3: Mechanical 1 "BOARD EDGE" at -26.856,103.319 h0.5 r180
J10: Mechanical 1 "BOARD EDGE" at -14.106,103.319 h0.5 r180
U16_B1: Mechanical 13 "*" at 17.486,23.047 h1.27 r180
U16_B2: Mechanical 13 "*" at 39.486,23.047 h1.27 r180
U16_B3: Mechanical 13 "*" at 61.486,23.047 h1.27 r180
U16_B4: Mechanical 13 "*" at 83.486,23.047 h1.27 r180
U16_B5: Mechanical 13 "*" at 105.486,23.047 h1.27 r180